# Altium PCB XTRXr5.PcbDoc (part 2 of 5)
Units mm, origin at the board's own origin, x right, y up, seen from the top; angles counter-clockwise.
Board outline 50.8 x 29.7 mm, 8 copper layers (Top Layer, Layer 2 Plain, Layer 3, Layer 4, Layer 5 Plane, Layer 6, Layer 7 Plane, Bottom Layer), stack 1.008 mm thick; 452 components, 359 nets, 1868 pads, 1040 vias.
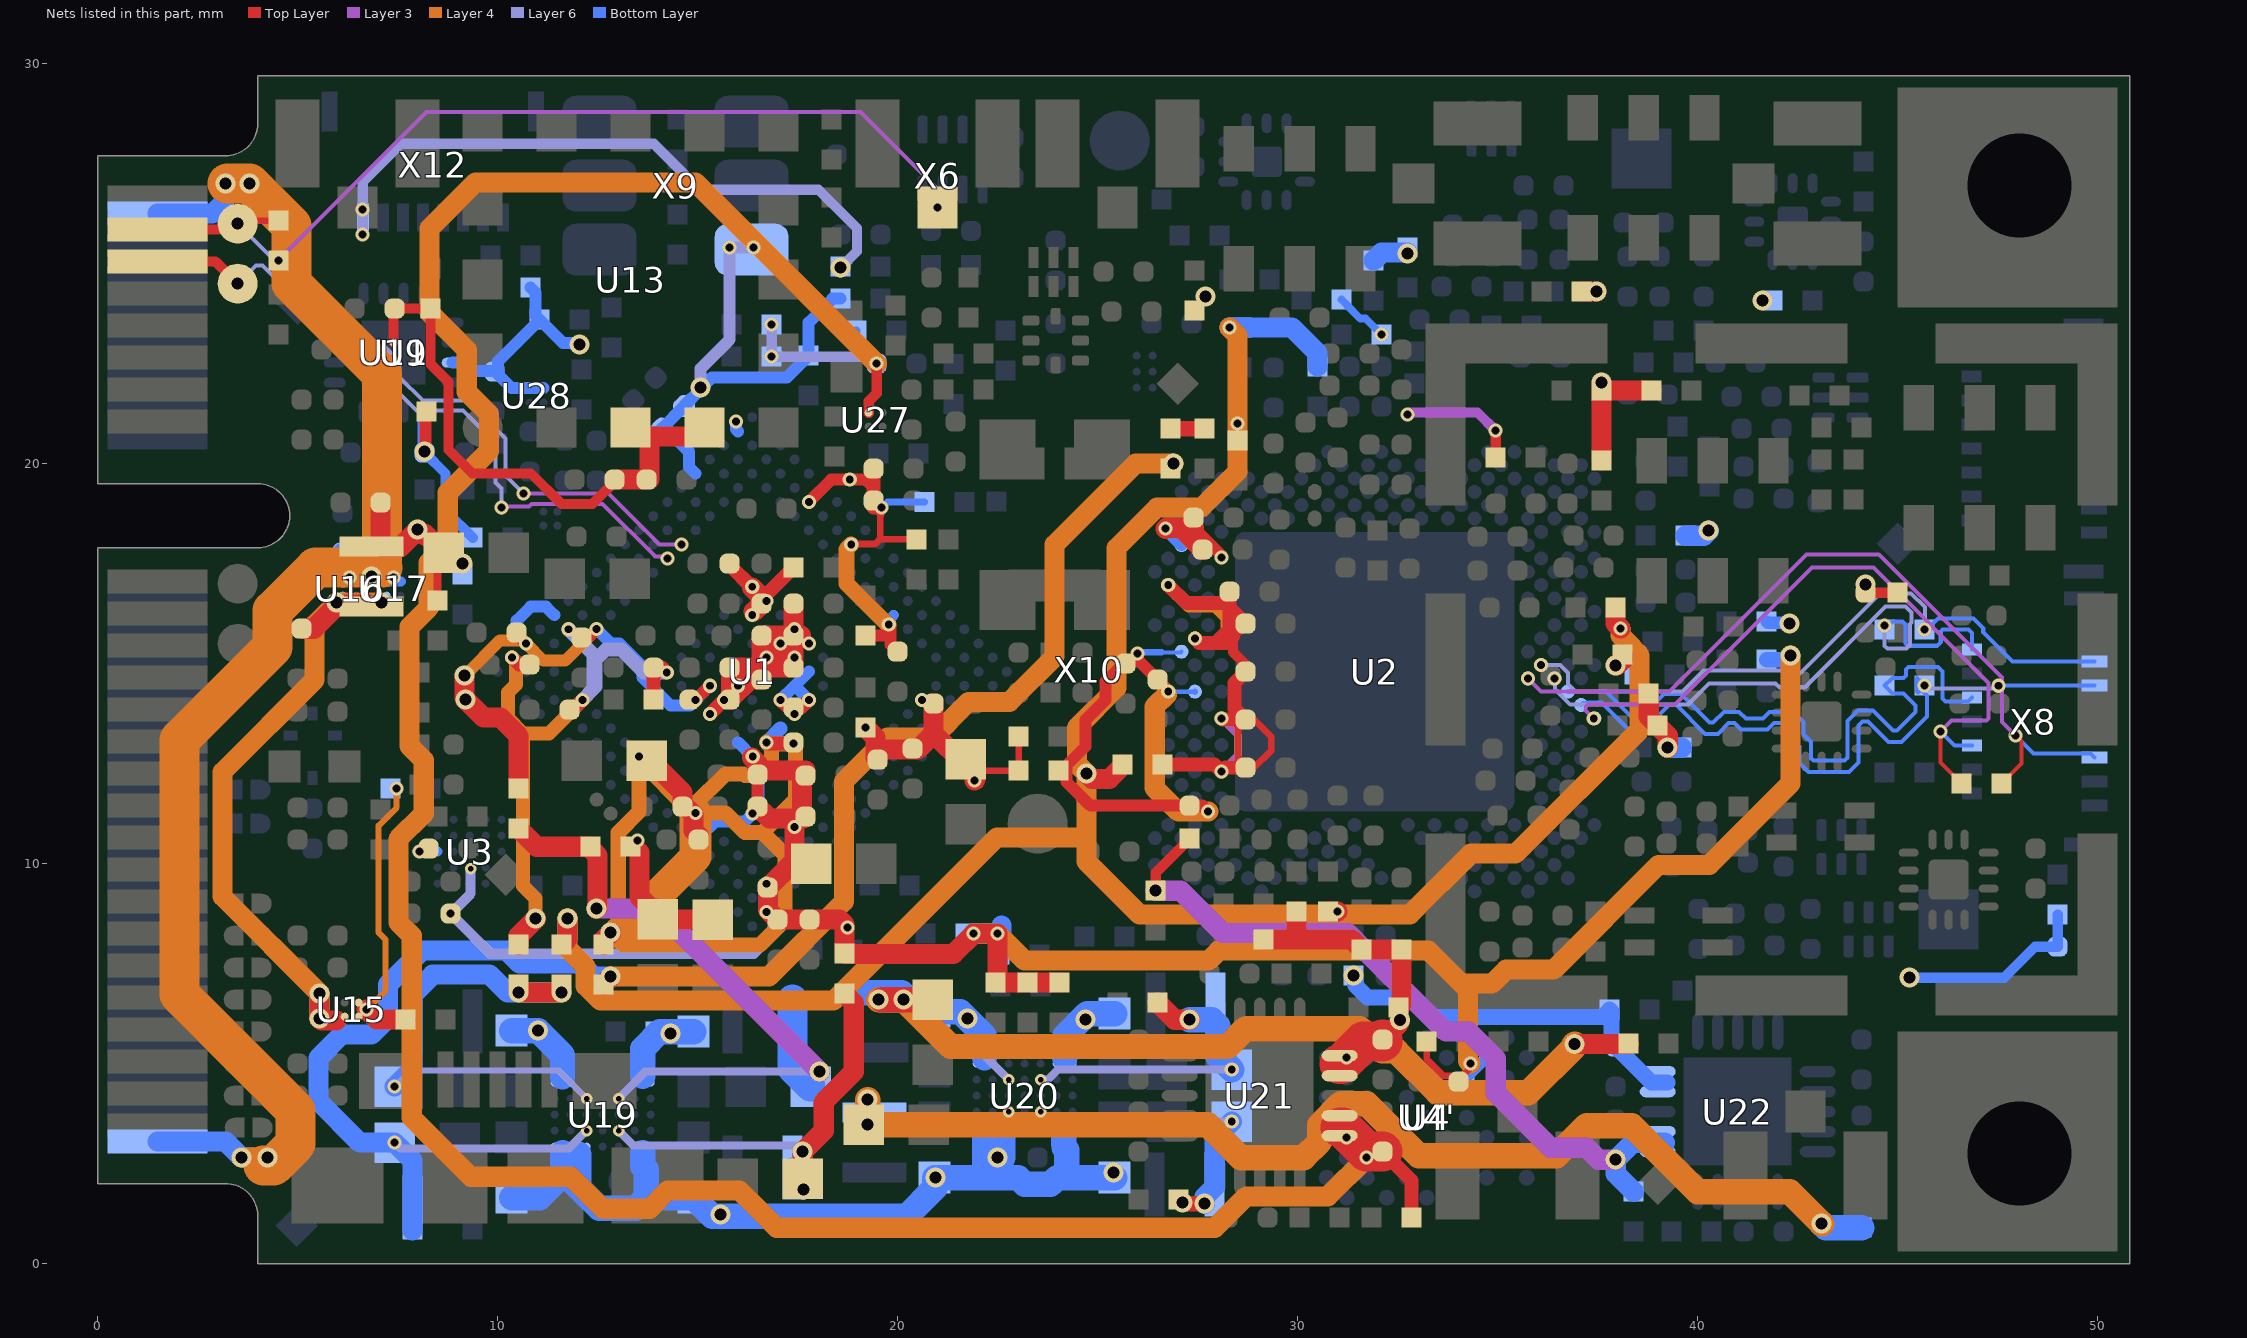
[diagram p8: the nets of this part, all layers, seen from the top]

## Footprints (in the part's own frame and the unit in brackets; to place one, negate y for a bottom-side part, rotate by r counter-clockwise, add the part's x,y. Pads: shape width x height; smd on the part's side, far side on the other; paste and mask are expansions set on the pad) (continued)
CPG236 [mm] "BGA, 238-Ball, Body 10x10mm,Pitch 0.5mm"
  round 0.25 smd: A1(-4.5,4.5) A2(-4,4.5) A3(-3.5,4.5) A4(-3,4.5) A5(-2.5,4.5) A6(-2,4.5) A7(-1.5,4.5) A8(-1,4.5) A9(-0.5,4.5) A10(0,4.5) A11(0.5,4.5) A12(1,4.5) A13(1.5,4.5) A14(2,4.5) A15(2.5,4.5) A16(3,4.5) A17(3.5,4.5) A18(4,4.5) A19(4.5,4.5) B1(-4.5,4) B2(-4,4) B3(-3.5,4) B4(-3,4) B5(-2.5,4) B6(-2,4) B7(-1.5,4) B8(-1,4) B9(-0.5,4) B10(0,4) B11(0.5,4) B12(1,4) B13(1.5,4) B14(2,4) B15(2.5,4) B16(3,4) B17(3.5,4) B18(4,4) B19(4.5,4) C1(-4.5,3.5) C2(-4,3.5) C3(-3.5,3.5) C4(-3,3.5) C5(-2.5,3.5) C6(-2,3.5) C7(-1.5,3.5) C8(-1,3.5) C9(-0.5,3.5) C10(0,3.5) C11(0.5,3.5) C12(1,3.5) C13(1.5,3.5) C14(2,3.5) C15(2.5,3.5) C16(3,3.5) C17(3.5,3.5) C18(4,3.5) C19(4.5,3.5) D1(-4.5,3) D2(-4,3) D3(-3.5,3) D17(3.5,3) D18(4,3) D19(4.5,3) E1(-4.5,2.5) E2(-4,2.5) E3(-3.5,2.5) E17(3.5,2.5) E18(4,2.5) E19(4.5,2.5) F1(-4.5,2) F2(-4,2) F3(-3.5,2) F17(3.5,2) F18(4,2) F19(4.5,2) G1(-4.5,1.5) G2(-4,1.5) G3(-3.5,1.5) G7(-1.5,1.5) G8(-1,1.5) G9(-0.5,1.5) G10(0,1.5) G11(0.5,1.5) G12(1,1.5) G13(1.5,1.5) G17(3.5,1.5) G18(4,1.5) G19(4.5,1.5) H1(-4.5,1) H2(-4,1) H3(-3.5,1) H7(-1.5,1) H8(-1,1) H9(-0.5,1) H10(0,1) H11(0.5,1) H12(1,1) H13(1.5,1) H17(3.5,1) H18(4,1) H19(4.5,1) J1(-4.5,0.5) J2(-4,0.5) J3(-3.5,0.5) J7(-1.5,0.5) J8(-1,0.5) J9(-0.5,0.5) J10(0,0.5) J11(0.5,0.5) J12(1,0.5) J13(1.5,0.5) J17(3.5,0.5) J18(4,0.5) J19(4.5,0.5) K1(-4.5,0) K2(-4,0) K3(-3.5,0) K7(-1.5,0) K8(-1,0) K12(1,0) K13(1.5,0) K17(3.5,0) K18(4,0) K19(4.5,0) L1(-4.5,-0.5) L2(-4,-0.5) L3(-3.5,-0.5) L7(-1.5,-0.5) L8(-1,-0.5) L9(-0.5,-0.5) L10(0,-0.5) L11(0.5,-0.5) L12(1,-0.5) L13(1.5,-0.5) L17(3.5,-0.5) L18(4,-0.5) L19(4.5,-0.5) M1(-4.5,-1) M2(-4,-1) M3(-3.5,-1) M7(-1.5,-1) M8(-1,-1) M9(-0.5,-1) M10(0,-1) M11(0.5,-1) M12(1,-1) M13(1.5,-1) M17(3.5,-1) M18(4,-1) M19(4.5,-1) N1(-4.5,-1.5) N2(-4,-1.5) N3(-3.5,-1.5) N7(-1.5,-1.5) N8(-1,-1.5) N9(-0.5,-1.5) N10(0,-1.5) N11(0.5,-1.5) N12(1,-1.5) N13(1.5,-1.5) N17(3.5,-1.5) N18(4,-1.5) N19(4.5,-1.5) P1(-4.5,-2) P2(-4,-2) P3(-3.5,-2) P17(3.5,-2) P18(4,-2) P19(4.5,-2) R1(-4.5,-2.5) R2(-4,-2.5) R3(-3.5,-2.5) R17(3.5,-2.5) R18(4,-2.5) R19(4.5,-2.5) T1(-4.5,-3) T2(-4,-3) T3(-3.5,-3) T17(3.5,-3) T18(4,-3) T19(4.5,-3) U1(-4.5,-3.5) U2(-4,-3.5) U3(-3.5,-3.5) U4(-3,-3.5) U5(-2.5,-3.5) U6(-2,-3.5) U7(-1.5,-3.5) U8(-1,-3.5) U9(-0.5,-3.5) U10(0,-3.5) U11(0.5,-3.5) U12(1,-3.5) U13(1.5,-3.5) U14(2,-3.5) U15(2.5,-3.5) U16(3,-3.5) U17(3.5,-3.5) U18(4,-3.5) U19(4.5,-3.5) V1(-4.5,-4) V2(-4,-4) V3(-3.5,-4) V4(-3,-4) V5(-2.5,-4) V6(-2,-4) V7(-1.5,-4) V8(-1,-4) V9(-0.5,-4) V10(0,-4) V11(0.5,-4) V12(1,-4) V13(1.5,-4) V14(2,-4) V15(2.5,-4) V16(3,-4) V17(3.5,-4) V18(4,-4) V19(4.5,-4) W1(-4.5,-4.5) W2(-4,-4.5) W3(-3.5,-4.5) W4(-3,-4.5) W5(-2.5,-4.5) W6(-2,-4.5) W7(-1.5,-4.5) W8(-1,-4.5) W9(-0.5,-4.5) W10(0,-4.5) W11(0.5,-4.5) W12(1,-4.5) W13(1.5,-4.5) W14(2,-4.5) W15(2.5,-4.5) W16(3,-4.5) W17(3.5,-4.5) W18(4,-4.5) W19(4.5,-4.5)
  silkscreen extent -5.77,-5 5,5, body extent -5,-5 5,5, height 1.38
GPS_M10578-Ax [mm] "GPS resceiver module 9x9 mm, Radionova"
  round 1 smd: 1(-3.7,3.7)
  rect 1x1 smd: 2(-1.85,3.7) 3(0,3.7) 4(1.85,3.7) 5(3.7,3.7) 6(3.7,1.85) 7(3.7,0) 8(3.7,-1.85) 9(3.7,-3.7) 10(1.85,-3.7) 11(0,-3.7) 12(-1.85,-3.7) 13(-3.7,-3.7) 14(-3.7,-1.85) 15(-3.7,0) 16(-3.7,1.85)
  silkscreen extent -5.53,-4.6 4.6,4.6, body extent -4.5,-4.5 4.5,4.5, height 1.81
JA4220-AL [mm] "Coilcraft balun JA4220-AL"
  rect 0.76x1.14 smd: 1(-1.52,1.5) 2(1.52,1.5) 3(1.52,-1.5) 4(-1.52,-1.5) ""(0,1.5) ""(0,-1.5)
  silkscreen extent -2.12,-2 2,2.07, body extent -1.9,-1.9 1.9,1.9, height 2.6
"JUMPER SOLDER" [mm] "Small manualy soldered jumper"
  round 0.5 smd paste-1 mask+0.05: 1(-0.35,0) 2(0.35,0)
  rect 0.25x0.5 smd paste-1 mask+0.05: 1(-0.225,0) 2(0.225,0)
  silkscreen extent -0.72,-0.38 0.72,0.38
"Jumper solder" [mm] "Small manualy soldered jumper"
  round 0.5 smd paste-1 mask+0.05: 1(-0.35,0) 2(0.35,0)
  rect 0.25x0.5 smd paste-1 mask+0.05: 1(-0.225,0) 2(0.225,0)
  silkscreen extent -0.72,-0.38 0.72,0.38
"KP D1.5mm"#1 [mm]
  rect 1.5x1.5 smd paste-2: 1(0,0)
"KP D1.5mm"#2 [mm]
  round 1.5 smd paste-2: 1(0,0)
KP-C_d1mm#1 [mm]
  round 1 smd paste-2: 1(0,0)
KP-C_d1mm#2 [mm]
  oval 0.35x0.4 smd mask+0.05: 1(0,0)
KP-C_d1mm#3 [mm]
  round 0.35 smd mask+0.05: 1(0,0)
L-VLS201610HBX [mm] "TDK Chip Inductor; Body 2.0 x 1.6 x 1.0 mm"
  rect 0.5x1.6 smd: 1(-0.75,0) 2(0.75,0)
  silkscreen extent -0.25,-0.87 0.25,0.87, body extent -1,-0.82 1,0.82, height 1.01
LED-0603GR [mm] "LED GREEN 0603"
  rect 0.8x0.8 smd: 1(-0.75,0) 2(0.75,0)
  silkscreen extent -1.53,-0.6 0.8,0.6, body extent -1.09,-0.4 0.92,0.4, height 0.8
"Micro pak 8 (1.6x1.6/0.5)" [mm] "1.6x1.6mm pitch 0.5mm Fairchild"
  rrect50% 0.42x0.25 smd mask+0.05: 1(-0.62,0.5) 2(-0.62,0) 3(-0.62,-0.5) 5(0.62,-0.5) 6(0.62,0) 7(0.62,0.5)
  rrect50% 0.25x0.42 smd mask+0.05: 4(0,-0.61) 8(0,0.61)
  silkscreen extent -1,-0.9 0.9,0.9, body extent -0.8,-0.8 0.8,0.8, height 0.55
MICROPAK-10(2.1X1.6P0.5) [mm] "ON's 10-Lead MicroPak, package code L10X"
  rect 0.35x0.25 smd mask+0.05: 1(-0.56,0.75) 2(-0.56,0.25) 3(-0.56,-0.25) 4(-0.56,-0.75) 6(0.56,-0.75) 7(0.56,-0.25) 8(0.56,0.25) 9(0.56,0.75)
  rect 0.25x0.35 smd mask+0.05: 5(0,-0.81) 10(0,0.81)
  Top Layer keep-out region: -0.25,0.475 0.25,0.475 0.25,-0.475 -0.25,-0.475
  silkscreen extent -0.95,-1.15 0.87,1.35, body extent -0.8,-1.05 0.8,1.05, height 0.55
"MOLEX 78864-1001-MATING" [mm] "Spring connector mating PCB footprint, 6pos"
  rrect50% 1.3x1.85 smd paste-5: 1(-1.6,1.9) 2(0,1.9) 3(1.6,1.9) 4(1.6,-1.9) 5(0,-1.9) 6(-1.6,-1.9)
  silkscreen extent -2.5,-3.05 2.5,3.05
"Molex 502598-1593" [mm] "Connector FPC 0.3mm pitch, 15 pin, side intry."
  rect 0.35x1 smd mask+0.05: 0(-3.075,-1.225) 0(3.075,-1.225)
  rect 0.3x0.65 smd mask+0.05: 1(-2.1,-1.49) 3(-1.5,-1.49) 5(-0.9,-1.49) 7(-0.3,-1.49) 9(0.3,-1.49) 11(0.9,-1.49) 13(1.5,-1.49) 15(2.1,-1.49)
  rect 0.3x0.5 smd mask+0.05: 2(-1.8,1.575) 4(-1.2,1.575) 6(-0.6,1.575) 8(0,1.575) 10(0.6,1.575) 12(1.2,1.575) 14(1.8,1.575)
  silkscreen extent -3.4,-2 3.4,2.02, body extent -3.3,-1.72 3.3,2.08, height 1.14
"MOLEX 503480-0800" [mm] "Connector FPC 0.5mm pitch, 8 pin, side intry, Dual Contact."
  rect 0.4x1 smd mask+0.05: 0(-2.58,-3) 0(2.58,-3)
  rect 0.3x0.7 smd mask+0.05: 1(-1.75,-0.35) 2(-1.25,-0.35) 3(-0.75,-0.35) 4(-0.25,-0.35) 5(0.25,-0.35) 6(0.75,-0.35) 7(1.25,-0.35) 8(1.75,-0.35)
  silkscreen extent -3,-3.47 3,0.33, body extent -2.85,-3.6 2.85,0, height 1.88
"PCIe MiniCard" [mm] "PCIe MiniCard full size"
  rect 5.5x5.5 hole 2.6 copper offset 0.3,-0.3 paste-2 mask+0: 0(-8.25,48.05)
  rect 5.5x5.5 hole 2.6 copper offset -0.3,-0.3 paste-2 mask+0: 0(15.95,48.05)
  rect 0.6x2.5 smd paste-2: 1(-7.95,1.5) 3(-7.15,1.5) 5(-6.35,1.5) 7(-5.55,1.5) 9(-4.75,1.5) 11(-3.95,1.5) 13(-3.15,1.5) 15(-2.35,1.5) 17(1.65,1.5) 19(2.45,1.5) 21(3.25,1.5) 23(4.05,1.5) 25(4.85,1.5) 27(5.65,1.5) 29(6.45,1.5) 31(7.25,1.5) 33(8.05,1.5) 35(8.85,1.5) 37(9.65,1.5) 39(10.45,1.5) 41(11.25,1.5) 43(12.05,1.5) 45(12.85,1.5) 47(13.65,1.5) 49(14.45,1.5) 51(15.25,1.5)
  rect 0.6x2.5 smd far side paste-2: 2(-7.55,1.5) 4(-6.75,1.5) 6(-5.95,1.5) 8(-5.15,1.5) 10(-4.35,1.5) 12(-3.55,1.5) 14(-2.75,1.5) 16(-1.95,1.5) 18(2.05,1.5) 20(2.85,1.5) 22(3.65,1.5) 24(4.45,1.5) 26(5.25,1.5) 28(6.05,1.5) 30(6.85,1.5) 32(7.65,1.5) 34(8.45,1.5) 36(9.25,1.5) 38(10.05,1.5) 40(10.85,1.5) 42(11.65,1.5) 44(12.45,1.5) 46(13.25,1.5) 48(14.05,1.5) 50(14.85,1.5) 52(15.65,1.5)
"PWSON8 no PAD" [mm] "DFN-8 from TI, 2x2mm, pitch 0.5mm"
  rrect50% 0.8x0.25 smd paste-0.02 mask+0.075: 1(-0.7,0.75)
  rrect50% 0.7x0.25 smd paste-0.02 mask+0.075: 2(-0.75,0.25) 3(-0.75,-0.25) 4(-0.75,-0.75) 5(0.75,-0.75) 6(0.75,-0.25) 7(0.75,0.25) 8(0.75,0.75)
  silkscreen extent -1.32,-1.1 1,1.22, body extent -1,-1 1,1, height 0.81
QFN12(2X2/0.5) [mm] "SKY13330 SKYWORKS"
  rrect25% 0.76x0.76 smd paste-2: 0(0,0)
  oval 0.5x0.25 smd mask+0.05: 1(-0.96,0.5) 2(-0.96,0) 3(-0.96,-0.5) 7(0.96,-0.5) 8(0.96,0) 9(0.96,0.5)
  oval 0.25x0.5 smd mask+0.05: 4(-0.5,-0.96) 5(0,-0.96) 6(0.5,-0.96) 10(0.5,0.96) 11(0,0.96) 12(-0.5,0.96)
  silkscreen extent -1.45,-1.1 1.1,1.1, body extent -1,-1 1,1, height 0.56
QFN14(2x2/0.4-0.45) [mm] "SKY13414 SKYWORKS, 0.4/0.45 mm pitch"
  rrect25% 1x1 smd paste-2: 0(0,0)
  oval 0.5x0.2 smd mask+0.05: 1(-1,0.675) 2(-1,0.225) 3(-1,-0.225) 4(-1,-0.675) 8(1,-0.675) 9(1,-0.225) 10(1,0.225) 11(1,0.675)
  oval 0.2x0.5 smd mask+0.05: 5(-0.4,-1) 6(0,-1) 7(0.4,-1) 12(0.4,1) 13(0,1) 14(-0.4,1)
  silkscreen extent -1.48,-1.1 1.1,1.1, body extent -1,-1 1,1, height 0.56
QFN16(3x3/0/5mm)-Case485AE [mm] "NLAS3899"
  rect 1.6x1.6 smd paste-1 mask+0.1: 0(0,0)
  oval 0.55x0.25 smd mask+0.075: 1(-1.475,0.75) 2(-1.475,0.25) 3(-1.475,-0.25) 4(-1.475,-0.75) 9(1.475,-0.75) 10(1.475,-0.25) 11(1.475,0.25) 12(1.475,0.75)
  oval 0.25x0.55 smd mask+0.075: 5(-0.75,-1.475) 6(-0.25,-1.475) 7(0.25,-1.475) 8(0.75,-1.475) 13(0.75,1.475) 14(0.25,1.475) 15(-0.25,1.475) 16(-0.75,1.475)
  silkscreen extent -2.43,-1.6 1.6,1.6, body extent -1.5,-1.5 1.5,1.5, height 1
QFN-20(4X4/0.5)TI [mm] "TI S-PWQFN-N20, Body 4.15x4.15mm (max), Pitch 0.5mm"
  rect 2.7x2.7 smd paste-2 mask+0: 0(0,0)
  oval 0.9x0.28 smd mask+0.07: 1(-2,1) 2(-2,0.5) 3(-2,0) 4(-2,-0.5) 5(-2,-1) 11(2,-1) 12(2,-0.5) 13(2,0) 14(2,0.5) 15(2,1)
  oval 0.28x0.9 smd mask+0.07: 6(-1,-2) 7(-0.5,-2) 8(0,-2) 9(0.5,-2) 10(1,-2) 16(1,2) 17(0.5,2) 18(0,2) 19(-0.5,2) 20(-1,2)
  silkscreen extent -2.47,-2.1 2.1,2.1, body extent -2,-2 2,2, height 0.81
R0402-Phillips [mm]
  rect 0.5x0.5 smd: 1(-0.5,0) 2(0.5,0)
  silkscreen extent -0.9,-0.4 0.9,0.4, body extent -0.5,-0.3 0.5,0.3, height 0.2
SESD0402-Phillips [mm] "Doid 0402"
  rect 0.5x0.5 smd: 1(-0.5,0) 2(0.5,0)
  silkscreen extent -0.9,-0.4 0.9,0.63, body extent -0.63,-0.3 0.63,0.3, height 0.41
TCXO3.2X2.5 [mm] "TCXO 7Q Series"
  rect 0.8x0.9 smd: 1(-1.525,-0.7) 2(1.525,-0.7) 3(1.525,0.7) 4(-1.525,0.7)
  silkscreen extent -1.85,-1.73 1.85,1.4, body extent -1.63,-1.25 1.63,1.25, height 1
TCXO5X3.2 [mm] "VCTCXO Pletronics"
  rect 1.5x1.4 smd: 1(-1.88,-1.185) 2(1.88,-1.185) 3(1.88,1.185) 4(-1.88,1.185)
  silkscreen extent -2.63,-2.35 2.7,1.75, body extent -2.54,-1.65 2.54,1.65, height 1.5
U_FL [mm] "Ultraminiature Coax Connector (UMCC)"
  rect 1.05x1 smd: 1(-1.6,0)
  rect 2.2x1.1 smd: 2(0,-1.5) 2(0,1.5)
  Top Layer pour cut-out: -1,0.925 0.55,0.925 1.025,0.45 1.025,-0.45 0.55,-0.925 -1,-0.925
  silkscreen extent -1.5,-1.5 1.5,1.5, body extent -1.55,-1.5 1.3,1.5, height 1.25
USB-microB [mm]
  rect 2.3x1.9 smd: 0(-4,1.45) 0(4,1.45)
  rect 1.6x1.4 smd: 0(-2.667,4.064) 0(2.667,4.064)
  rect 1.9x1.9 smd: 0(-1.2,1.45) 0(1.2,1.45)
  rect 0.4x1.4 smd mask+0.074: 1(-1.3,4.1) 2(-0.65,4.1) 3(0,4.1) 4(0.65,4.1) 5(1.3,4.1)
  silkscreen extent -4.5,2.75 4.5,5.15, body extent -4,-0.94 3.98,4.49, height 2.7
X2-DFN1410-6(1.4x1/0.5mm) [mm] "Diodes DFN 1.4x1mm, 6 pins, Pitch 0.5mm"
  rect 0.525x0.25 smd mask+0.05: 1(-0.363,0.5) 2(-0.363,0) 3(-0.363,-0.5) 4(0.363,-0.5) 5(0.363,0) 6(0.363,0.5)
  silkscreen extent -0.82,-0.8 0.5,0.9, body extent -0.51,-0.7 0.51,0.7, height 0.4

## Part data
C1 C2 C3 C4 C5 C6 C7 C8 C9 C10 C11 C13 C15 C16 C17 C18 C20 C21 C22 C23 C25 C27 C29 C32 C33 C34 C35 C36 C37 C38 C39 C40 C41 C42 C44 C45 C54 C55 C56 C57 C58 C59 C60 C61 C62 C63 C64 C65 C74 C75 C76 C77 C82 C83 C84 C85 C86 C87 C88 C89 C90 C91 C92 C93 C94 C95 C96 C97 C98 C99 C100 C101 C102 C103 C104 C105 C106 C107 C108 C109 C110 C111 C112 C113 C114 C115 C116 C117 C122 C125 C126 C127 C128 C129 C130 C131 C132 C134 C135 C136 C137 C138 C139 C140 C141 C142 C143 C144 C145 C147 C148 C149 C150 C151 C152 C153 C154 C155 C156 C157 C158 C161 C162 C163 C164 C165 C166 C167 C168 C169 C170 C175 C176 C177 C178 C179 C180 C181 C182 C183 C184 C189 C190 C191 C192 C193 C194 C201 C202 C203 C204 C205 C206 C207 C208 C209 C210 C211 C212 C215 C216 C217 C218 C219 C220: library part C0402, "Capacitor", Manufacturer=Any, Tolerance=20%, Name=SMD0402
  C1 C2 C3 C4 C5 C8 C11 C15 C16 C29 C37 C74 C75 C76 C82 C83 C84 C85 C86 C87 C88 C89 C90 C91 C92 C93 C94 C95 C96 C97 C98 C99 C100 C101 C102 C103 C104 C105 C106 C107 C108 C109 C110 C111 C112 C113 C114 C115 C116 C122 C219: Link=https://octopart.com/search?avg_avail=(1__*)&q=1uF%20%20x5r%200402&specs2.76.numbers=1e-06&start=0&oq=1uF%20%20x5r%200402, U/P/TKE="X5R 10V"
  C6 C7 C9 C10 C13 C17 C18 C21 C27 C36 C42 C44 C45 C58 C59 C60 C61 C131 C132 C167 C168 C169 C170 C183 C184 C191 C192 C215 C216 C220: Link=https://octopart.com/search?avg_avail=%281__%2A%29&q=GRM155+x7r+0.1uf+0402&r=sp&s=NUEPno7bQ4qfu1XPud9uDg&start=10, U/P/TKE="X7R 16V"
  C20 C54 C55 C56 C57 C62 C63 C64 C65 C77 C117 C125 C126 C130 C134 C135 C140 C141 C147 C148 C153 C154 C161 C164 C166: Link=https://octopart.com/search?avg_avail=(1__*)&q=4.7uf%200402&start=0&specs2.76.numbers=4.7e-06, U/P/TKE="X5R 6.3V"
  C22 C189 C190 C205 C206 C211 C212 C217 C218: Link=https://octopart.com/search?avg_avail=(1__*)&q=100pF%20%20C0G%20NP0%20%2050V%200402&start=0&oq=100pF%20%20C0G%20NP0%20%2050V%200402, U/P/TKE="C0G 50V"
  C23 C25 C176 C177 C180 C181 C193 C194 C203 C204 C209 C210: Link=https://octopart.com/search?avg_avail=(1__*)&q=10pF%20%20C0G%20NP0%20%2050V%200402&start=0, U/P/TKE="C0G 50V"
  C32 C33 C34 C35 C38 C39 C40 C41: Link=https://octopart.com/search?avg_avail=(1__*)&q=x5r%200.22uf%200402&r=sp&s=NUEPno7bQ4qfu1XPud9uDg&start=0&oq=x5r%200.22uf%200402, U/P/TKE="X5R 16V"
  C127 C128 C129 C136 C137 C138 C139 C142 C143 C144 C145 C149 C150 C151 C152 C155 C156 C157 C158 C162 C163 C165: Link=https://octopart.com/search?avg_avail=(1__*)&q=x5r%200.47uf%200402&r=sp&s=NUEPno7bQ4qfu1XPud9uDg&start=0, U/P/TKE="X5R 16V"
  C175 C178 C179 C182 C201 C202 C207 C208: Link=https://octopart.com/search?avg_avail=(1__*)&q=470pF%20%20C0G%20NP0%20%2050V%200402&start=0, U/P/TKE="NP0 50V"
C12 C14 C19 C24 C26 C28 C30 C31 C78 C79 C80 C81 C118 C119 C120 C121 C171 C172: library part C0402, "Capacitor", Manufacturer=Any, Tolerance=10%, Name=SMD0402
  C12 C14 C19 C24 C26 C28 C78 C79 C80 C81 C118 C119 C120 C121: Link=https://octopart.com/search?avg_avail=(1__*)&q=1000PF%20C0G%20NP0%200402&start=0, U/P/TKE="C0G NP0"
  C30 C31: Link=https://octopart.com/search?r=sp&s=NUEPno7bQ4qfu1XPud9uDg&q=10000PF%20X7R%200402&oq=10000PF%20X7R%200402&start=0&avg_avail=(1__*), U/P/TKE=X7R
  C171 C172: Link=https://octopart.com/search?avg_avail=(1__*)&q=2pF%20%20C0G%20NP0%2050V%200402&start=0&specs2.76.numbers=2e-12&oq=2pF%20%20C0G%20NP0%2050V%200402, U/P/TKE="C0G 50V"
C43 C66 C67 C68 C69 C70 C71 C72 C73 C123 C124 C133 C146 C159 C160: library part C0603-TALL, "Capacitor", Manufacturer=MuRata, Tolerance=20%, Link=https://octopart.com/zrb18ar60j476me01l-murata-71221023?r=sp&s=AX1jIhZnRzqCJDNKo8E3Og, Name=ZRB18AR60J476ME01L
  C43: U/P/TKE="X5R 4V"
  C66 C67 C68 C69 C70 C71 C72 C73 C123 C124 C133 C146 C159 C160: U/P/TKE="X5R 6.3V"
C46 C47 C48 C49 C50 C51 C52 C53: library part C0603, "Capacitor", Manufacturer=Any, Tolerance=20%, Link=https://octopart.com/search?avg_avail=(1__*)&q=10uF%20%20x5r%206.3v%200603&start=0, U/P/TKE="X5R 6.3V"
C173 C174 C185 C186 C187 C188 C195 C196 C197 C198 C199 C200 C213 C214: library part C0402, "Capacitor", Manufacturer=MURATA, Tolerance=20%, Name=SMD0402, U/P/TKE=NP0
ESD1: library part SESD0402S, "ESD diod unidirectional", Manufacturer="Tyco Electronics Corp", Link=https://octopart.com/search?q=SESD0402S-005-054, Name=SESD0402S-005-054, U/P/TKE=5.4V
GND2 GND3 RST TPA: library part KP-D1.5mm, Manufacturer=PCB
GPIO1 GPIO2 GPIO3 GPIO4 TP1 TP2 TP3 TP4: library part KP40X40, Manufacturer=PCB
J1 J2 J3 J4 J5 J6 J7 J8 J9 J10: library part "JUMPER PCB", "Manually soldered jumper", Manufacturer=DIY
L1 L2 L3 L7 L9 L10 L11 L12 L21 L22 L23 L24 L25 L26 L27 L28 L29 L30 L31 L32 L33 L34 L35 L36 L37 L38 L39 L40 L41 L42 L43 L44 L45 L46 L47 L48 L49 L50 L51 L52 L53 L54 L55 L56 L57 L58 L71 L72 L73 L74: library part "EMI BLM15", "Ferrite bead EMIFIL", Manufacturer=MURATA, Link=https://octopart.com/blm15eg221sn1d-murata-368376, Name=BLM15EG221SN1
L4 L5 L6 L59 L60 L61 L62 L63 L64 L65 L66 L67 L68 L69 L70: library part L-LQW15, "Coil wire wound", Manufacturer=MuRata, Tolerance=±5%
  L4 L5 L6: Link=https://octopart.com/lqw15an47nj00d-murata-387459, Name=LQW15AN47NJ
  L59 L60 L61 L62: Link=https://octopart.com/lqw15anr10j00d-murata-387640, Name=LQW15ANR10J00D
  L63 L64 L65 L66 L68 L70: Link=https://octopart.com/lqw15an10nj00d-murata-387450, Name=LQW15AN10NJ00D
L8 L13 L14 L15 L16 L17 L18 L19 L20: library part L-VLS20161xHBX-1, "Coil", Manufacturer=TDK, Link=https://octopart.com/vls201610hbx-r47m-1-tdk-52458594, Name=VLS201610HBX-R47M-1, U/P/TKE=2.8A/35mOhm
LED1 LED2: library part LED0603GR_Lite-On, "LED GREEN", Manufacturer="Lite-On Inc", Link=https://octopart.com/ltst-c190kgkt-lite-on-549897, Misc=GREEN, Name=LTST-C190KGKT, U/P/TKE="40mcd, 2V/20mA, -30+85°C"
R1 R58 R81 R82 R83 R84: library part R0402, "Resistor", Manufacturer=BOURNS, Tolerance=1%, Name=CR0402-JW, U/P/TKE=50V/60mW/200ppm
R2 R3 R4 R5 R6 R7 R8 R10 R11 R12 R13 R14 R15 R16 R17 R18 R19 R20 R21 R22 R23 R24 R25 R26 R27 R28 R29 R30 R31 R32 R33 R34 R35 R36 R36` R37 R38 R39 R40 R41 R42 R43 R44 R45 R46 R47 R48 R49 R50 R54 R59 R60 R61 R62 R63 R64 R65 R66 R67 R68 R69 R70 R71 R72 R73 R74 R75 R76 R77 R78 R79 R80 R85: library part R0402, "Resistor", Manufacturer=BOURNS, Tolerance=5%, Name=CR0402-JW, U/P/TKE=50V/60mW/200ppm
R9: library part R0402, "Resistor", Manufacturer=Panasonic, Tolerance=0.5%, Link=https://octopart.com/erj-2rkf8061x-panasonic-55421298, Name=ERJ-2RKF8061X, U/P/TKE=50V/60mW/100ppm
Shield1: library part "Screen frame BMI-S-202-F", "Screening shield frame", Manufacturer="Laird Tech", Link=https://octopart.com/bmi-s-202-f-laird-19008954, Name="Screening shield frame BMI-S-202-F"
T1 T3 T6 T9: library part "Balun 3-4GHz", "Balun bal-unbal", Manufacturer="Johanson Technology, Inc.", Link=https://octopart.com/3600bl14m050t-johanson-11760610, Name="Balun 50/50 3-4 GHz"
T2 T4 T7 T10: library part "Balun JA4220-AL", "Balun", Manufacturer=Coilcraft, Link=https://octopart.com/ja4220-al-coilcraft-30564806, Misc="RF 1:1 Balun 50 Ohm, h 3mm", Name=JA4220-AL
T5 T8: library part "Balun ATB2012", "Balun bal-unbal", Manufacturer=TDK, Link=https://octopart.com/atb2012e-50011m-t01-tdk-38835046, Name="Balun wirewound 50/50, 0.04-1 GHz"
U1: library part XC7A35T-2CPG236C, "Artix-7 FPGA", Manufacturer=Xilinx, Operating Temperature Range=Commercial, Available User I/O=106, Clock Mgmt Tiles (CMTs)=5, ComponentLink1Description="Manufacturer URL", ComponentLink1URL=http://www.xilinx.com/, ComponentLink2Description=Datasheet, ComponentLink2URL=http://www.xilinx.com/support/documentation/data_sheets/ds180_7Series_Overview.pdf, ComponentLink3Description="Package Specification", ComponentLink3URL=http://www.xilinx.com/support/documentation/user_guides/ug475_7Series_Pkg_Pinout.pdf, ComponentLink4Description="DC and Switching Characteristics", ComponentLink4URL=http://www.xilinx.com/support/documentation/data_sheets/ds181_Artix_7_Data_Sheet.pdf, ComponentLink5Description="Package File", ComponentLink5URL=http://www.xilinx.com/support/packagefiles/a7packages/xc7a200tsbg484pkg.txt, ComponentLink6Description="Packaging and Pinout", ComponentLink6URL=http://www.xilinx.com/support/documentation/user_guides/ug475_7Series_Pkg_Pinout.pdf, DatasheetVersion=v1.15, GTP=2, Logic Cells=33280, Maximum Distributed RAM="400 Kb", Mounting Technology="Surface Mount", NexusDeviceID=XC7A35T-2CPG236C, PackageDescription="238-Ball Wire-Bond Chip-Scale BGA, Body 10 x10 mm, Pitch 0.5 mm", PackageReference=CPG-236, PackageVersion="Rev. 1.11", PartNumber=XC7A50T-2CPG236I, Speed Grades=2, Total Block RAM="1800 Kb"
U2: "FPRF MIMO Transceiver IC", Manufacturer="Lime Microsystems", Misc="Multi-band Multi-standard  Transceiver with Digital Interface", Name=LMS7002M
U3: "IC USB 2.0 FHY", Manufacturer=Microchip, Link=https://octopart.com/usb3333e-gl-tr-microchip-24995478, Misc="USB 2.0 FHY ULPI BGA", Name=USB3333E-GL
U4: library part MT25QL(U)256_BGA-12, "IC NOR FLASH", Manufacturer=Micron, Link=https://octopart.com/search?q=MT25QL256ABA8E12, Name=MT25QL256ABA8E12, U/P/TKE=2.7-3.3V
U4': library part MT25QL(U)256_BGA-14, "IC NOR FLASH", Manufacturer=Micron, Link=https://octopart.com/search?q=MT25QL256ABA8E14, Name=MT25QL256ABA8E14, U/P/TKE=2.7-3.3V
U5: library part DAC80501, "IC serial DAC", Manufacturer=TI, Link=https://octopart.com/pdac80501mdqft-texas+instruments-97302471, Misc="SPI/I2C 16-Bit DAC", Name=PDAC80501MDQFT, PDF=http://www.ti.com/product/dac80501
U6: library part TMP108, "IC Thermosensor", Manufacturer=TI, Link=https://octopart.com/tmp108aiyffr-texas+instruments-28946339, Misc="IC temperature sensor I2C, DSBGA-6", Name=TMP108AIYFF
U7: library part TCVCXO_5x3.2, "TCVCXO", Manufacturer=Pletronics, Name=TCD4029-26.0M, U/P/TKE=2.5-3.3V/ClippedSIN/0,2ppm
U8: library part TCVCXO_2.5x3.2, "TCVCXO", Manufacturer=Pletronics, Name=NCE4031035EG005008-30.72M, U/P/TKE=1.8-3.3V/ClippedSIN/0,5ppm
U9: library part LP5900TL, "IC", Manufacturer=TI, Link=https://octopart.com/search?q=LP5900TLX-3.0&start=0, Misc="Ultra Low Noise LDO", Name=LP5900TLX-3.0/NOPB
U10: "IC Triple Buffer", Manufacturer=Fairchild, Link=https://octopart.com/nc7np34l8x-fairchild+semiconductor-425659, Name=NC7NP34L8X, U/P/TKE="Vcc 0.9-3.6V"
U11: library part NCN4555MN, "IC SIM Card buffer", Manufacturer="ON Semi", Link=https://octopart.com/ncn4555mnr2g-on+semiconductor-712660, Name=NCN4555MNR2G
U12: library part 74LVC1G3157, "IC SPDT switch", Manufacturer=Diodes, Link=https://octopart.com/74lvc1g3157fz4-7-diodes+inc.-73278608, Misc="1:2 Multiplexer, analog SPDT switch.", Name=74LVC1G3157FZ4, Swap=No
U13: library part GPS_M10578-Ax, "Module GPS resceiver", Manufacturer="Radionova (Antenova)", Link=https://octopart.com/m10578-a2-antenova-71069728?r=sp&s=Oh_j1oz0Summ533Nx3cPvA, Misc="GPS receiver module (A2 opt)", Name=M10578-A2
U15 U16 U17 U27 U28 U29: "IC ideal diode switch", Manufacturer=MAXIM, Link=https://octopart.com/max40200ans%2Bt-maxim+integrated-80998950, Misc="IC ideal diode switch", Name=MAX40200ANS+, U/P/TKE=1.5-5.5V/1A
U19 U20: library part LP8758-E0, "IC 4xDC/DC", Manufacturer=TI, Link=https://octopart.com/lp8758a1e0yffr-texas+instruments-68058967, Misc="4x  4A DC/DCs, i2c control", Name=LP8758A1E0YFFR, Swap=No, U/P/TKE="2.5-5.5V to 0.5-3.3V"
U21 U22: library part TPS7A88, "IC dual LDO extra low noise", Manufacturer=TI, Link=https://octopart.com/tps7a8801rtjt-texas+instruments-68059618, Name=TPS7A8801RTJT, Swap=No, U/P/TKE=1.4-6.5V/Vdo<0.2V/NF<3.8uVrms
U23 U24: "IC RF Switch", Manufacturer=Skyworks, Link=https://octopart.com/sky13330-397lf-skyworks+solutions-19662969, Misc="SP4T 0.-6 GHz RF Switch", Name=SKY13330-397LF, Swap=No, U/P/TKE=2.3-4.8V
U25 U26: "IC RF SP4T Switch", Manufacturer=Skyworks, Link=https://octopart.com/search?q=SKY13414-485LF, Misc="SP4T 0.1-3.8 GHz RF Switch, No caps", Name=SKY13414-485LF, Swap=No, U/P/TKE="Vcc 2.5-4.8V/Vcont 1.35-2.7V"
U30: "IC dual SPDT bi-dir switch", Manufacturer=Fairchild, Link=https://octopart.com/fsa2257l10x-on+semiconductor-84328207, Misc="Analog SPDT Low R switch dual 1:2", Name=FSA2257L10X, PDF=https://datasheet.octopart.com/FSA2257L10X-ON-Semiconductor-datasheet-85538665.pdf, U/P/TKE=1.65-5.5V/3dB@200MHz
X1 X2 X3 X4 X5 X6 X7: library part U_FL, "Connector (UMCC)", Manufacturer=Molex, Link=https://octopart.com/0734120110-molex-16756629, Name=UFL
  X1: Label=TXA
  X2: Label=TXB
  X3: Label=RXA
  X4: Label=RXB
  X5: Label=GPS
  X6: Label=1PPS_IN
  X7: Label=CLK_IN
X8 X13: library part "Conn Molex 502598-1593", "Connector FFC/FPC", Manufacturer=Molex, Link=https://octopart.com/502598-1593-molex-71801460, Misc="Connector FFC/FPC 15pin side entry", Name=502598-1593, PDF=https://www.molex.com/pdm_docs/sd/5025981593_sd.pdf, U/P/TKE=0.3A/50Vrms/-40~+105°C
X9: library part "Conn Molex_788641001 mating", "Connector for spring contacts", Manufacturer=PCB, Misc="Mating to Molex 788641001 connector", Name="Molex 788641001"
X10: library part "PCIe MiniCard", "PCIe MiniCard full or half size", System=Connector
X11: "Connector microUSB-B", Manufacturer=Molex, Link=https://octopart.com/47346-0001-molex-7164928, Name=USB-microB
X12: library part "Conn Molex 503480-0800 one", "Connector FFC/FPC", Manufacturer=Molex, Link=https://octopart.com/5034800800-molex-18597066, Misc="Connector FFC/FPC 8pin side entry", Name=503480-0800, U/P/TKE=0.5A/50Vrms/-40~+85°C

## Free pads (board coordinates)
  rect 0.75x0.75 smd far side rot 45 paste-2: 1(4.975,0.95) 1(5,24) 1(45,18)
  rect 0.75x0.75 smd rot 45 paste-2: 1(10.2,9.725) 1(27,22) 1(39,2)

## Via types
v1: diameter 0.352, hole 0.198, Top Layer to Bottom Layer, tented both sides, 495 vias
v2: diameter 0.352, hole 0.198, Layer 6 to Bottom Layer, tented both sides, 218 vias
v3: diameter 0.352, hole 0.198, Top Layer to Layer 3, tented both sides, 102 vias
v4: diameter 0.5, hole 0.3, Top Layer to Bottom Layer, tented both sides, 78 vias
v5: diameter 0.5, hole 0.25, Top Layer to Bottom Layer, tented both sides, 61 vias
v6: diameter 0.352, hole 0.198, Layer 6 to Bottom Layer, tented bottom, 31 vias
v7: diameter 0.352, hole 0.198, Top Layer to Bottom Layer, tented bottom, 19 vias
v8: diameter 0.29, hole 0.13, Layer 6 to Bottom Layer, tented both sides, 16 vias
v9: diameter 0.352, hole 0.198, Top Layer to Layer 3, tented top, 7 vias
v10: diameter 0.352, hole 0.198, Top Layer to Layer 3, tented bottom, 6 vias
v11: diameter 0.6, hole 0.3, Top Layer to Bottom Layer, tented both sides, 4 vias
v12: diameter 0.29, hole 0.13, Layer 6 to Bottom Layer, tented bottom, 2 vias
v13: diameter 0.352, hole 0.198, Top Layer to Layer 3, 1 vias
